# Altium PCB 2.PcbDoc (part 1 of 22) (continued)
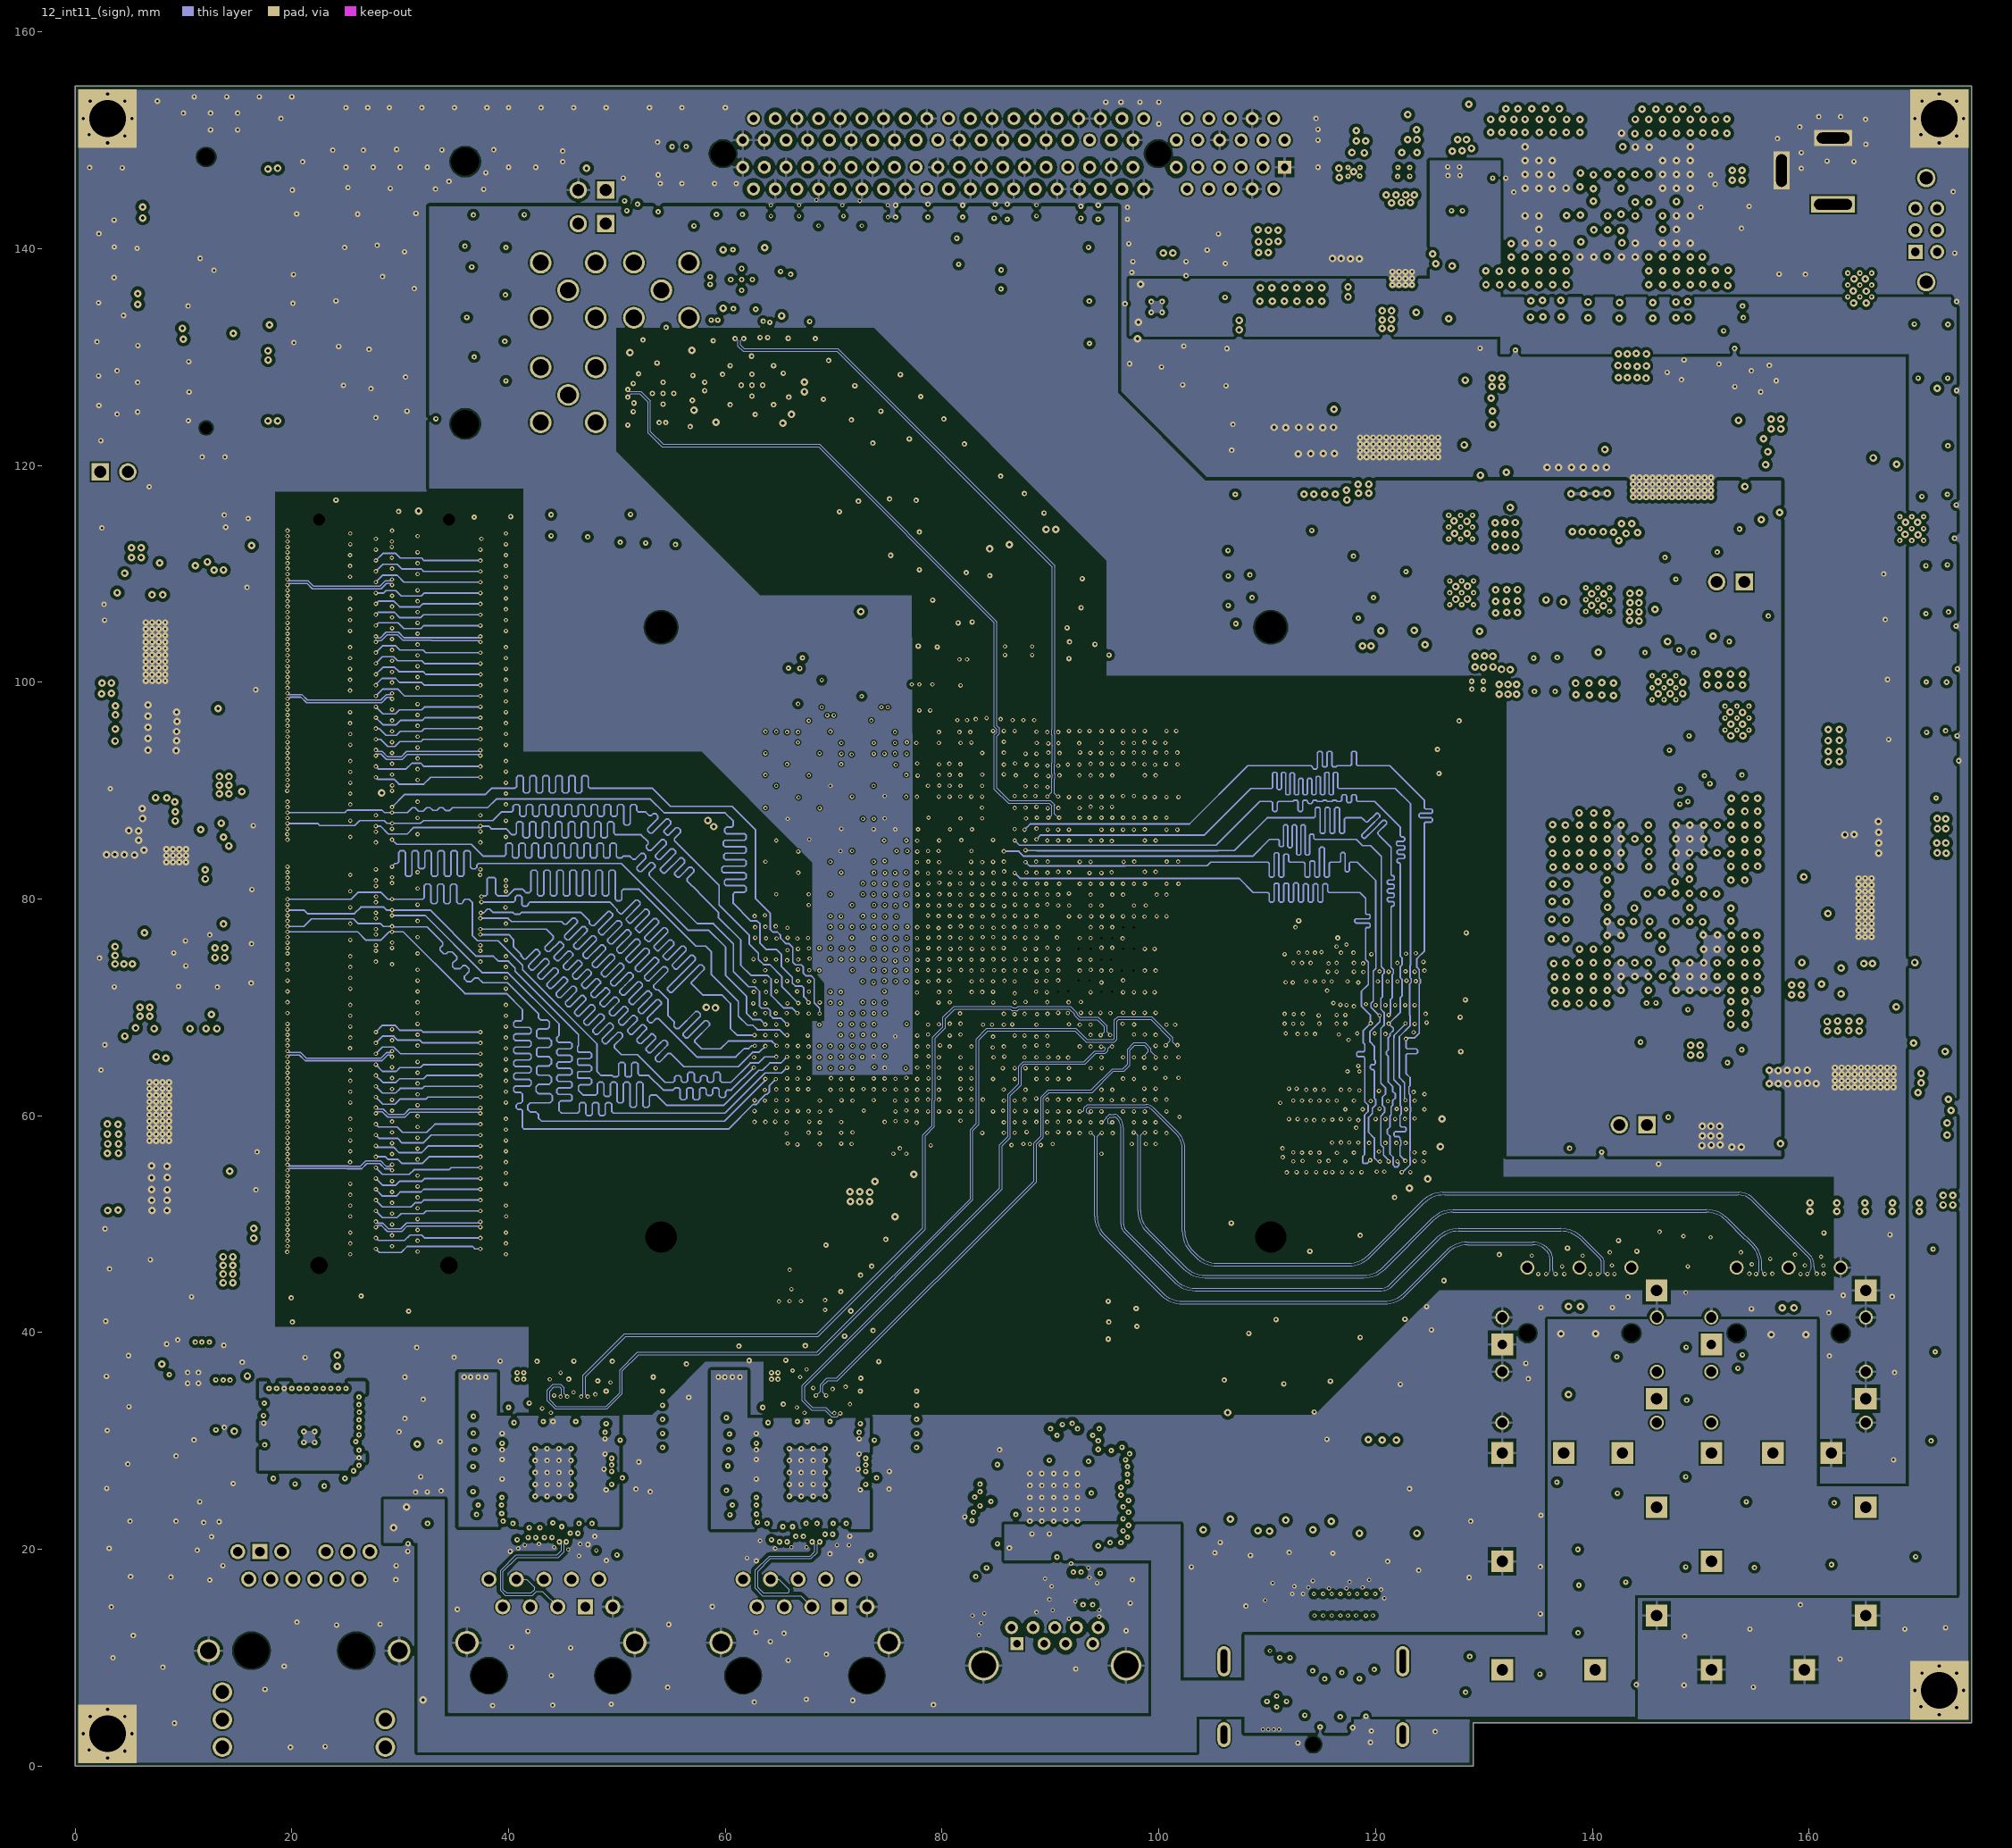
[diagram p12: 12_int11_(sign)]
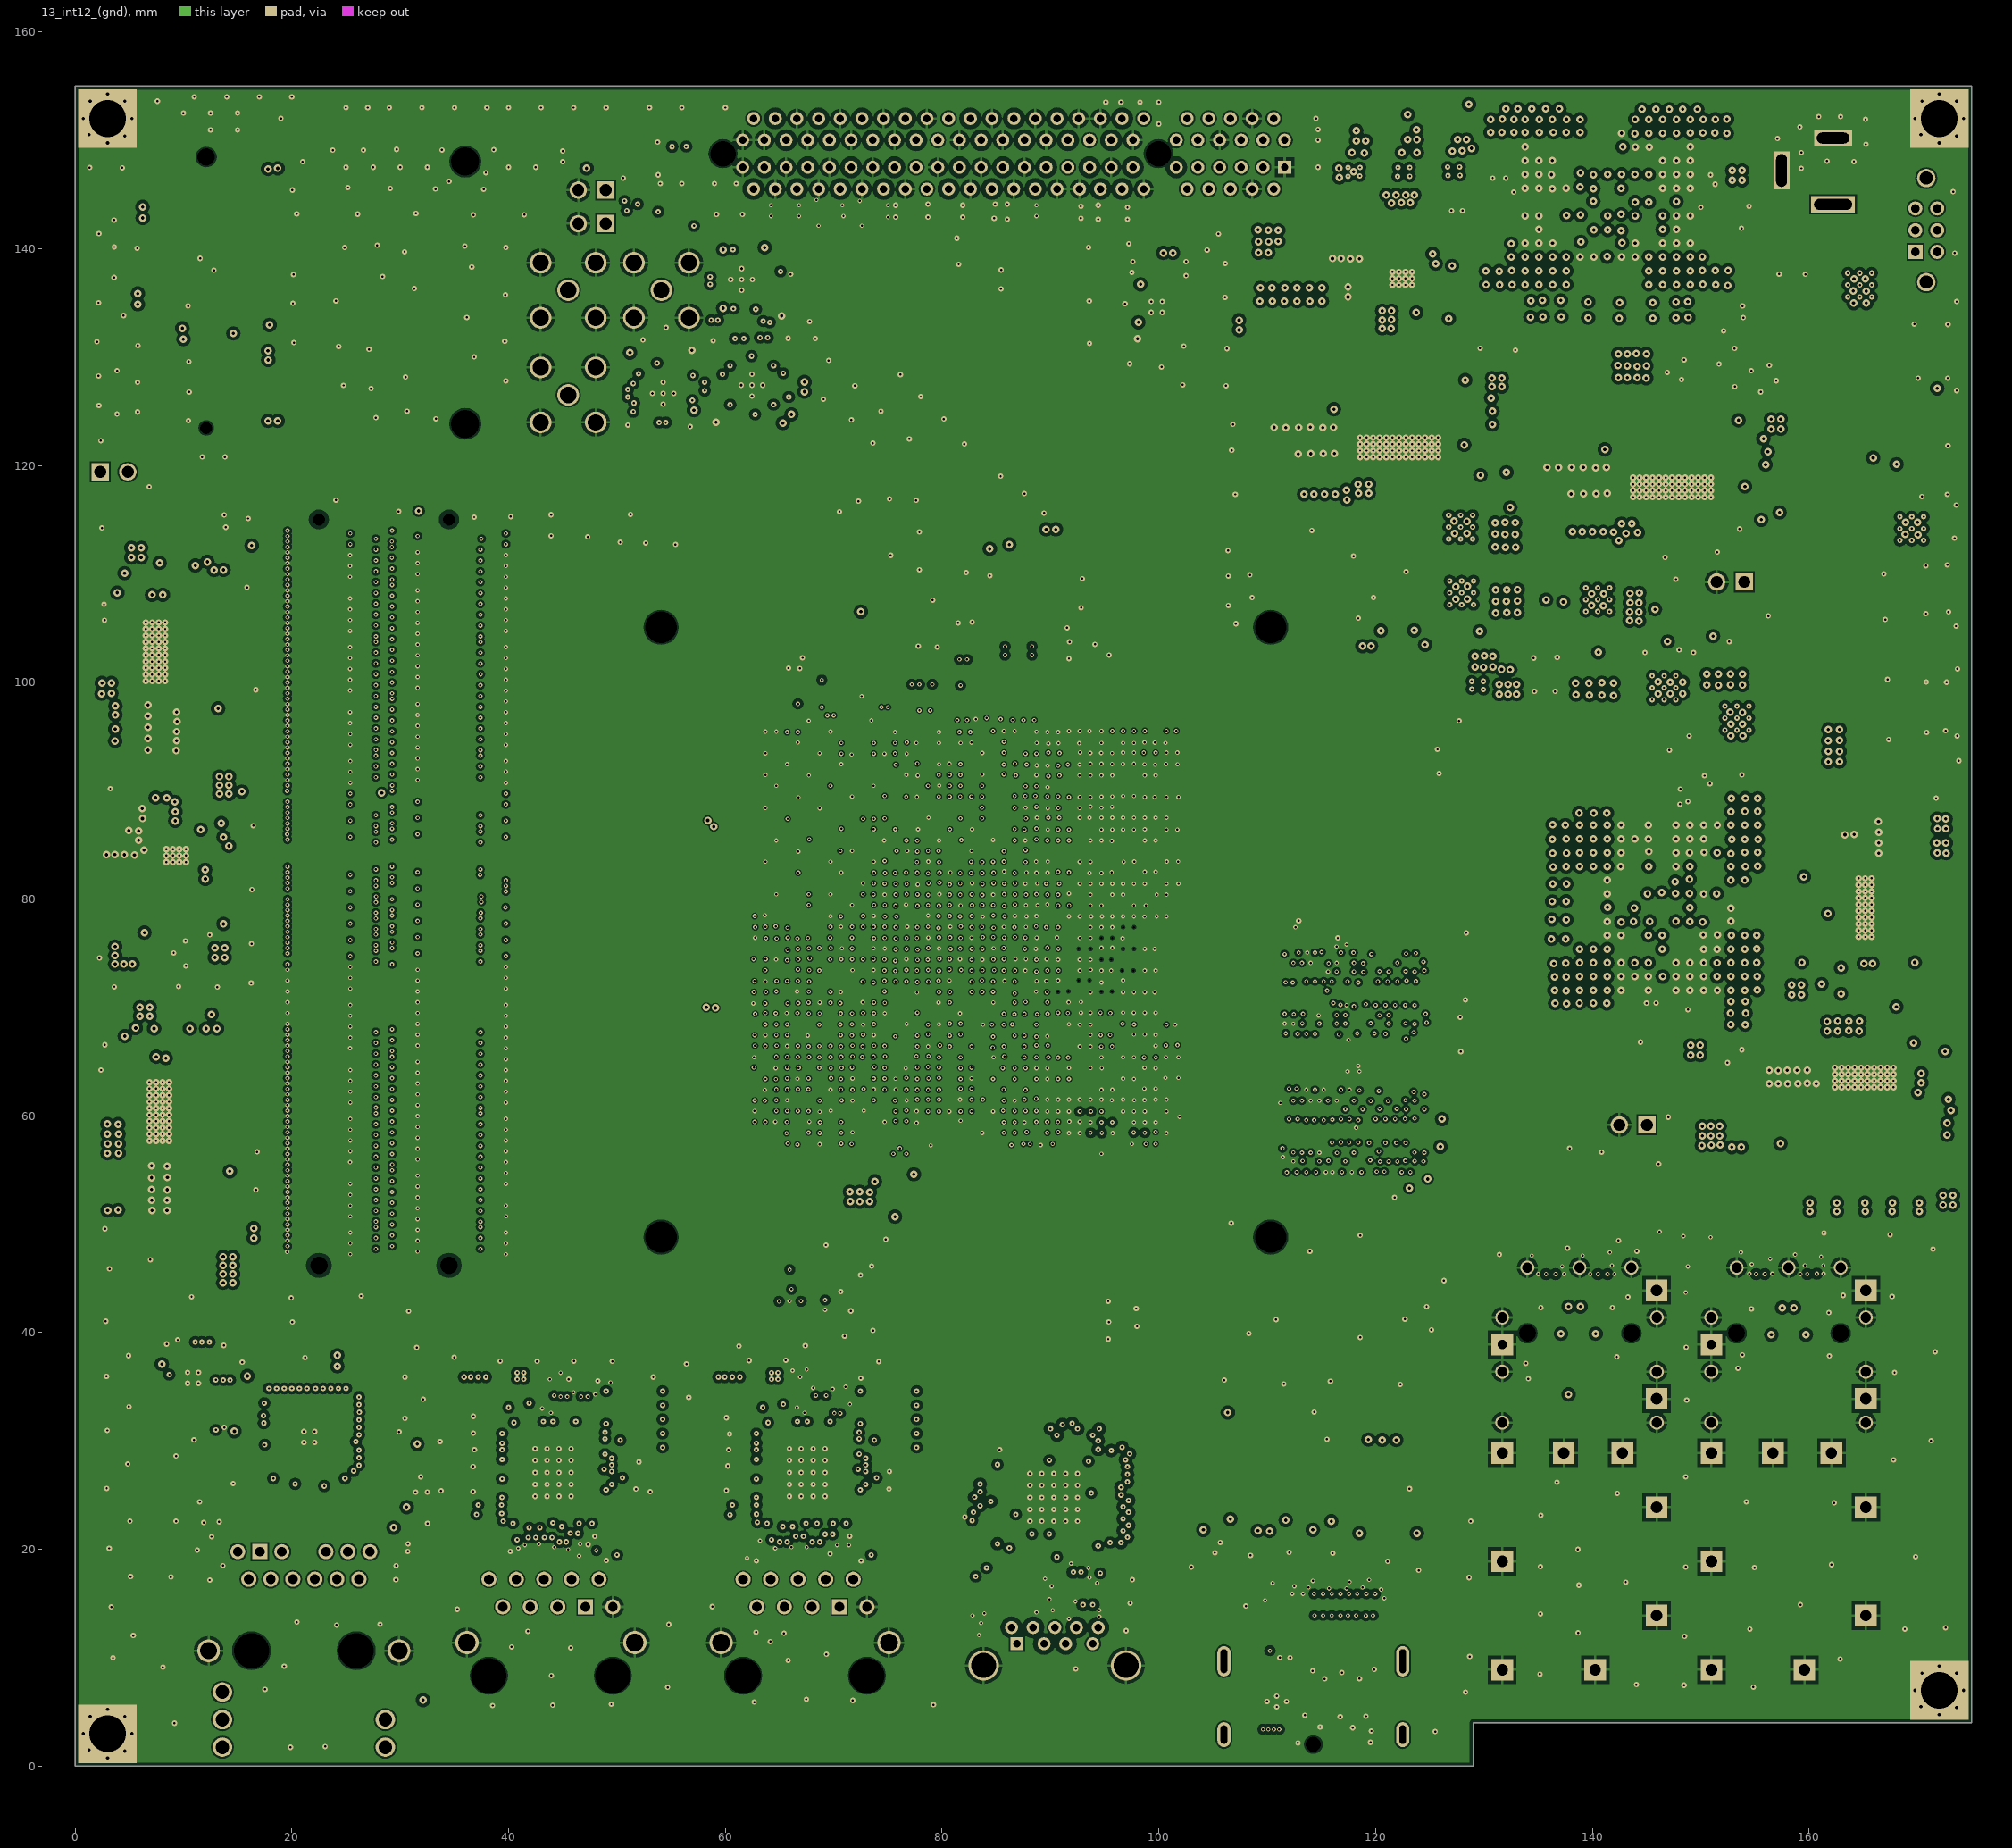
[diagram p13: 13_int12_(gnd)]
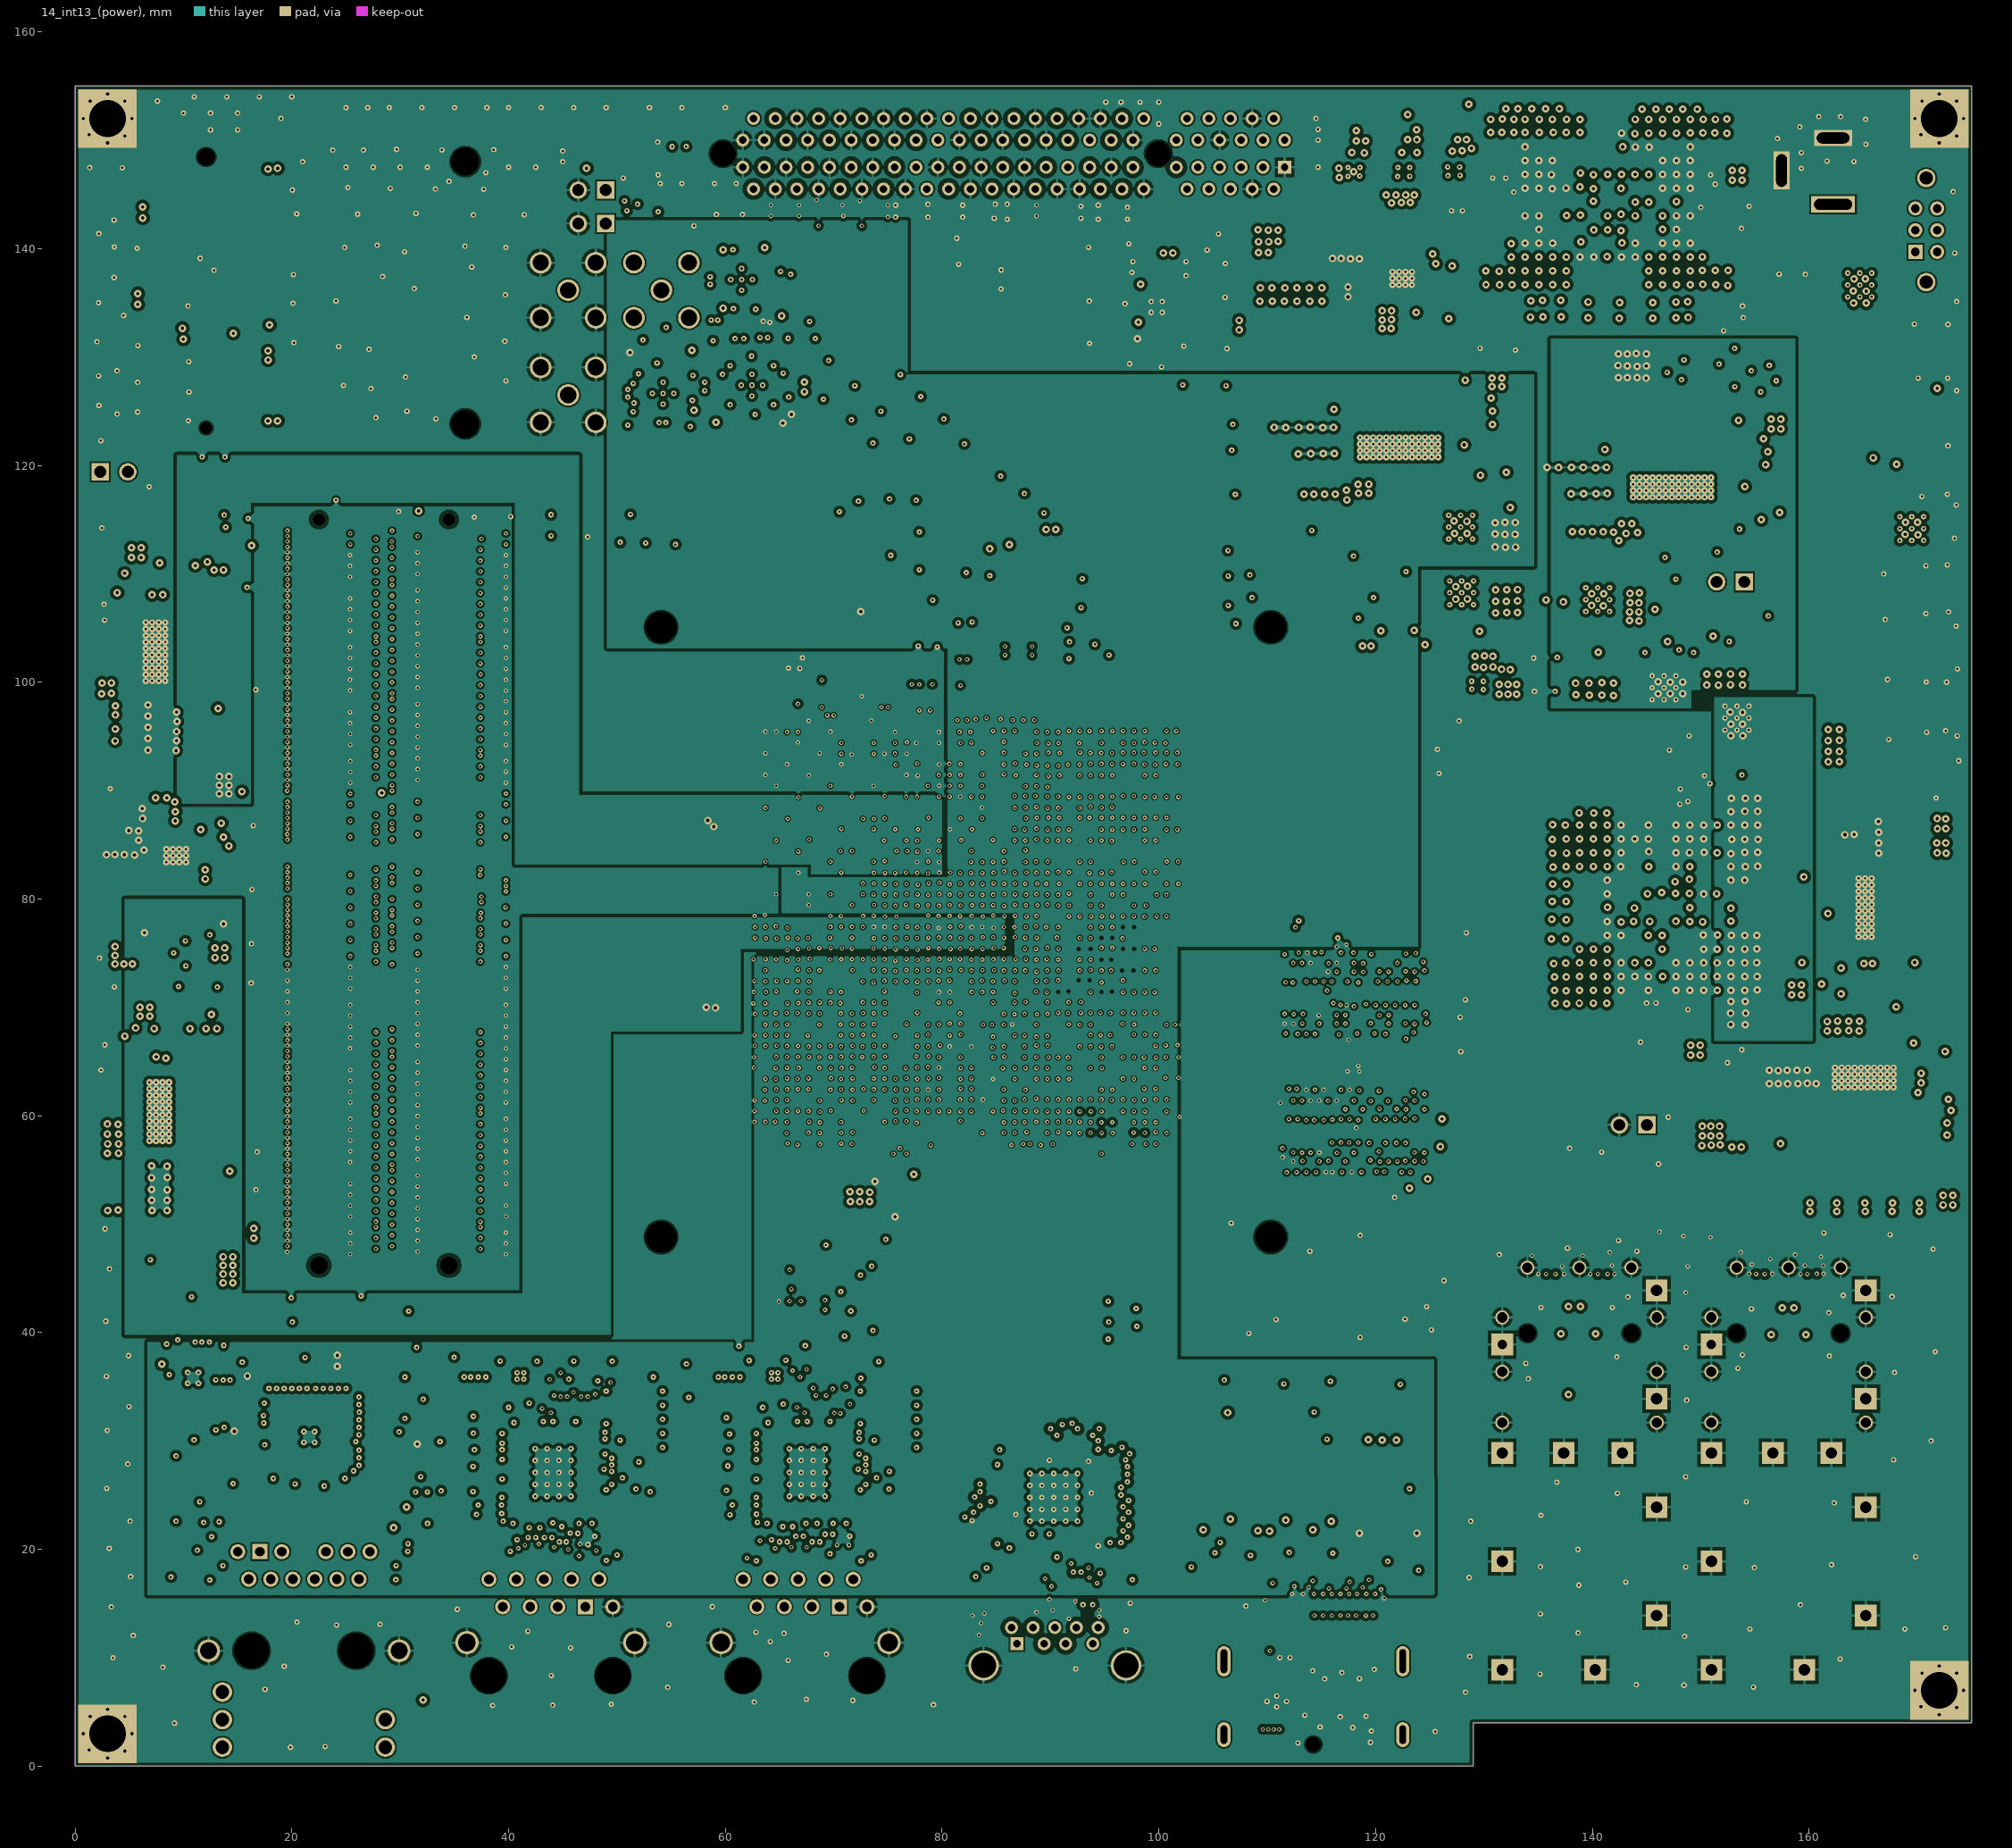
[diagram p14: 14_int13_(power)]